# Altium PCB MOTHERBOARD_Hristo_JLC2313.PcbDoc (part 1 of 4) (continued)
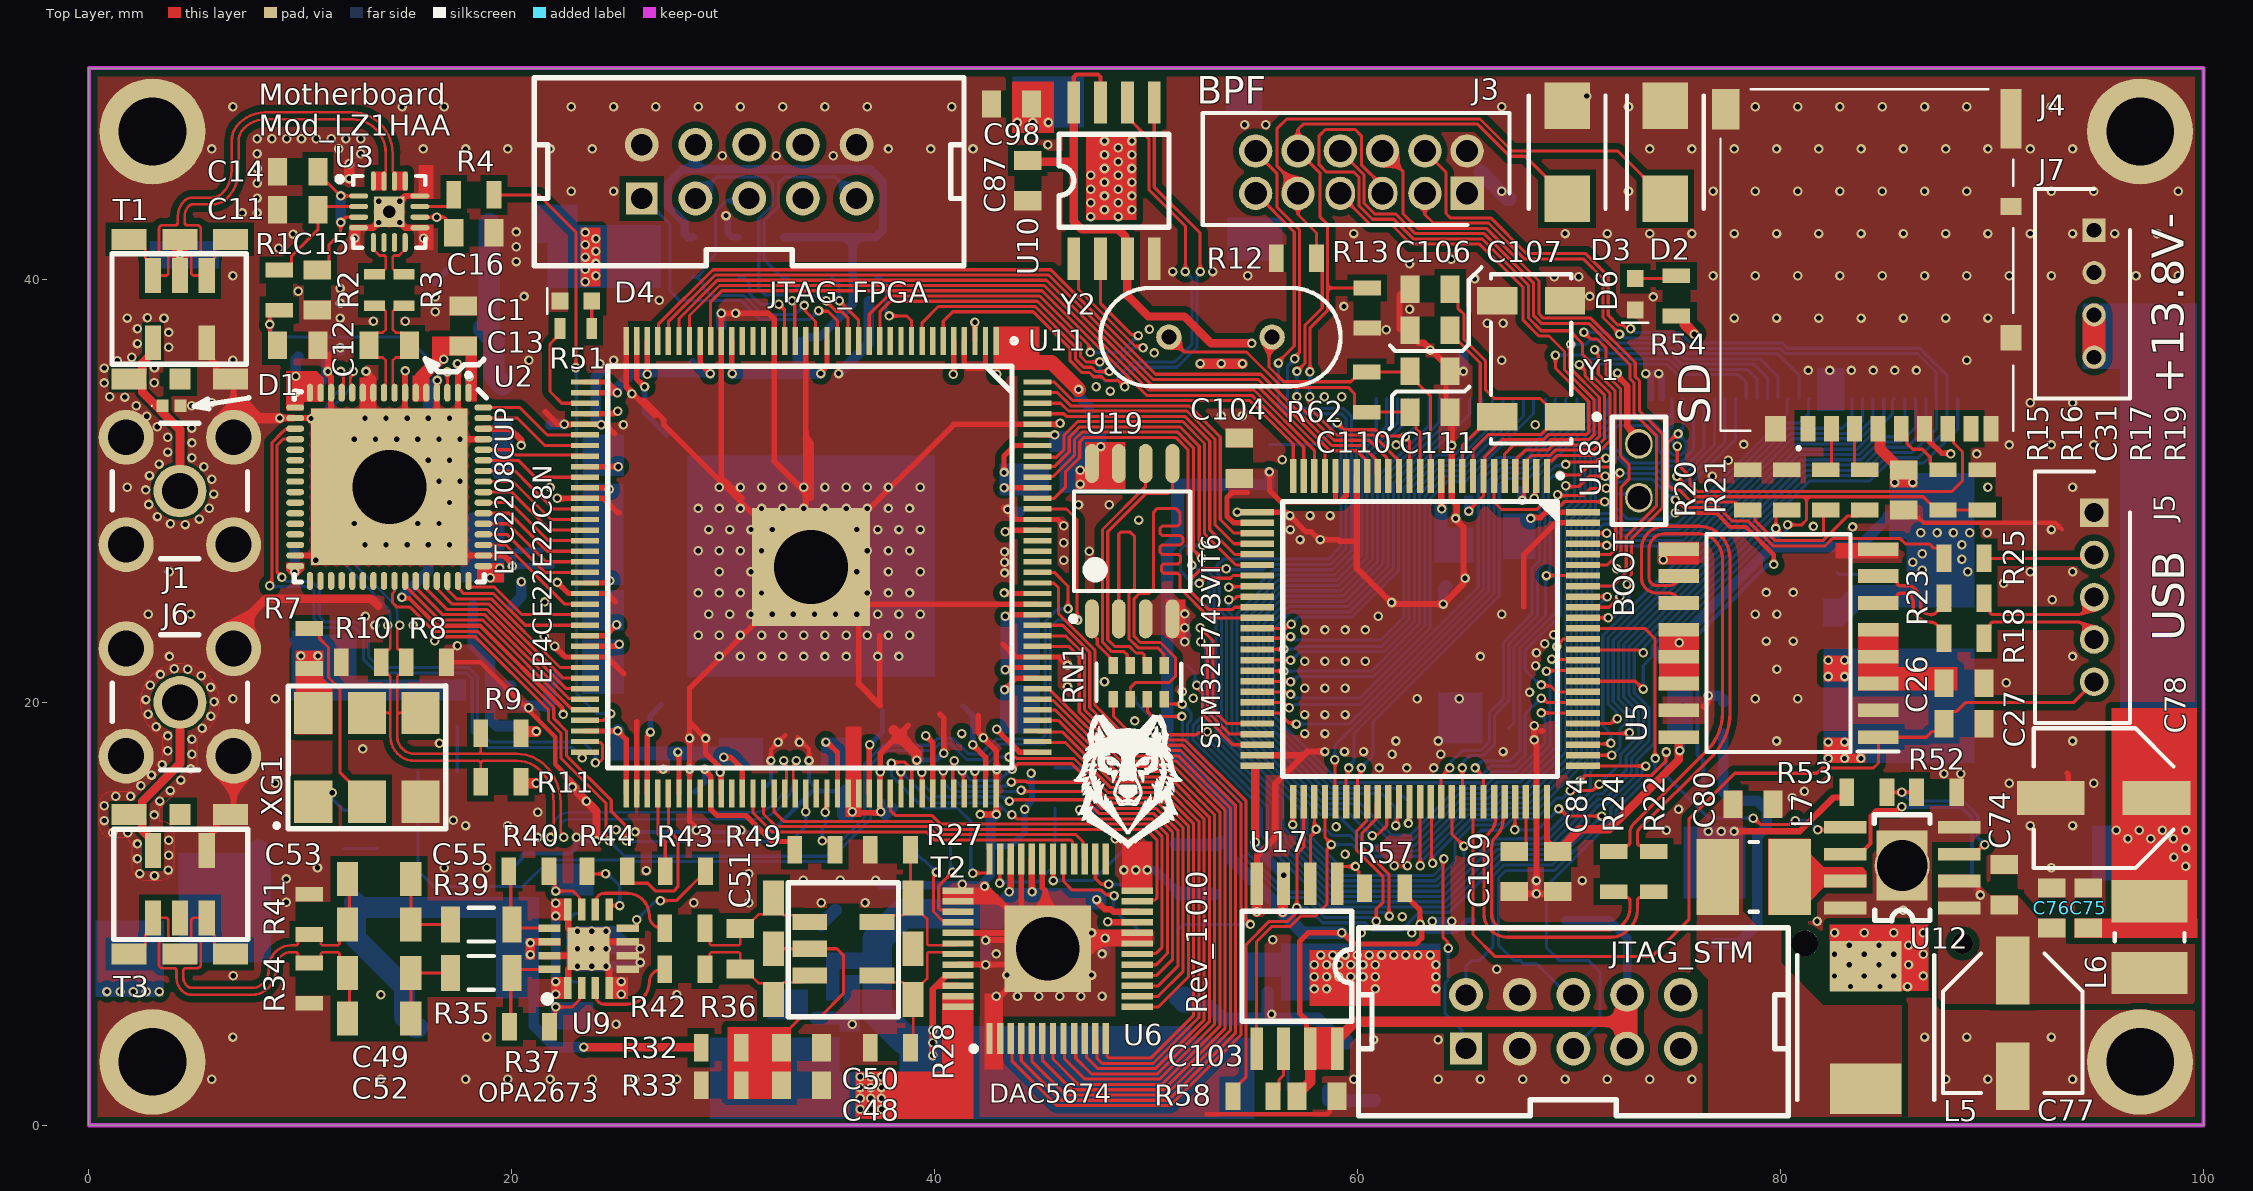
[diagram p0: Top Layer view]
## Components (designator, comment, footprint, x,y, rotation, side; value= is the part's Value field where it differs from the comment) (continued)
BOOT "" 51022-0200 72.665,30.955 r90 top locked
BT1 "S8411-45R" FP-S8411-45R-MFG 85.1,8.6 r90 bottom locked
C1 "100n" CAP_0805 17.7,37.8 r90 top
C2 "100n" CAP_0805 9.9,37.1 r90 bottom
C3 "100n" CAP_0805 9.6,28 r90 bottom
C4 "100n" CAP_0805 17.475,26.6 r180 bottom
C5 "100n" CAP_0805 21.7,40.475 r180 bottom
C6 "100n" CAP_0805 17.625,40.475 r0 bottom
C7 "22uF 10V" CAPAE_4.3X4.3H5.4 25.95,38.7 r90 bottom
C8 "22uF 10V" CAPAE_4.3X4.3H5.4 20.55,37.675 r180 bottom
C9 "470p" CAP_0805 6.65,41.175 r180 bottom
C10 "1uF" CAP_0805 2.35,41.175 r180 bottom
C11 "1uF" CAP_0805 9.875,43.3 r180 top
C12 "1uF" CAP_0805 9.875,36.9 r0 top
C13 "10p" CAP_0805 14.2,36.9 r180 top
C14 "100n" CAP_0805 9.875,45.1 r0 top
C15 "100n" CAP_0805 10.8,39.5 r90 top
C16 "100n" CAP_0805 18.2,42.2 r0 top
C17 "100n" CAP_0805 14.6,16.7 r0 bottom
C18 "100n" CAP_0805 10.9,14.9 r0 bottom
C19 "8.2n" CAP_0805 10.9,13.1 r0 bottom
C20 "470p" CAP_0805 13.7,19.6 r90 bottom
C21 "1uF" CAP_0805 19.3,22.8 r180 bottom
C22 "100n" CAP_0805 15.5,19.6 r90 bottom
C23 "10uF 10V" CAPAE_4.3X4.3H5.4 10.7,19 r270 bottom
C24 "100n" CAP_0805 18.55,16.7 r180 bottom
C25 "10n" CAP_0805 9.6,23.9 r270 bottom
C26 "100n" CAP_0805 88.675,20.913 r180 top
C27 "100n" CAP_0805 88.675,19 r180 top
C28 "100n" CAP_0805 76.35,20 r180 bottom
C29 "100n" CAP_0805 76.35,21.6 r180 bottom
C30 "22uF 10V" CAPAE_4.3X4.3H5.4 83.975,28.825 r180 bottom value="10uF 10V"
C31 "100n" CAP_0805 85.833,30.05 r270 top
C32 "100n" CAP_0805 41.9,13.125 r180 bottom
C33 "NONE" CAP_0805 46.7,13.125 r180 bottom
C34 "2.7n" CAP_0805 47.7,15.95 r90 bottom
C35 "10n" CAP_0805 49.6,14.25 r270 bottom
C36 "100n" CAP_0805 59.475,4.825 r90 bottom
C37 "10uF 10V" CAPAE_4.3X4.3H5.4 62.275,5.35 r270 bottom
C38 "10uF 10V" CAPAE_4.3X4.3H5.4 48.8,4.55 r90 bottom
C39 "100n" CAP_0805 52.175,5.225 r270 bottom
C40 "100n" CAP_0805 57.85,1.675 r180 bottom
C41 "10uF 10V" CAPAE_4.3X4.3H5.4 41.65,4.55 r90 bottom
C42 "100n" CAP_0805 38.8,5.225 r270 bottom
C43 "10uF 10V" CAPAE_4.3X4.3H5.4 30.475,4.55 r90 bottom
C44 "100n" CAP_0805 33.05,5.225 r270 bottom
C45 "470p" CAP_0805 19.9,11.3 r270 bottom
C46 "100n" CAP_0805 18.8,8.4 r0 bottom
C47 "1uF" CAP_0805 19.9,5.5 r90 bottom
C48 "100n" CAP_0805 33.7,1.9 r180 top
C49 "1uF" CAP_1206 13.719,7.207 r0 top
C50 "470p" CAP_0805 33.7,3.675 r180 top
C51 "7.5p" CAP_0805 30.8,8.35 r270 top
C52 "680p" CAP_1206 13.719,5.048 r0 top
C53 "680p" CAP_1206 13.719,11.652 r0 top
C54 "100n" CAP_0805 23.2,10.975 r270 bottom
C55 "1uF" CAP_1206 13.719,9.493 r0 top
C56 "100n" CAP_0805 32.775,37.025 r180 bottom
C57 "100n" CAP_0805 23.25,28.025 r180 bottom
C58 "100n" CAP_0805 23.225,21.15 r180 bottom
C59 "100n" CAP_0805 27.9,15.775 r180 bottom
C60 "100n" CAP_0805 35.725,16.95 r270 bottom
C61 "100n" CAP_0805 48.225,32.175 r0 bottom
C62 "100n" CAP_0805 45.25,22.775 r0 bottom
C63 "100n" CAP_0805 28.55,36.9 r90 bottom
C64 "100n" CAP_0805 48.225,33.8 r0 bottom
C65 "100n" CAP_0805 44.75,29.625 r270 bottom
C66 "100n" CAP_0805 45.25,19.35 r0 bottom
C67 "100n" CAP_0805 31.125,16.95 r270 bottom
C68 "100n" CAP_0805 23.225,24.6 r180 bottom
C69 "100n" CAP_0805 23.25,31.45 r180 bottom
C70 "100n" CAP_0805 25.075,16.825 r270 bottom
C71 "100n" CAP_0805 27.85,20.8 r45 bottom
C72 "100n" CAP_0805 40.475,32.15 r225 bottom
C73 "100n" CAP_0805 27.85,32.125 r315 bottom
C74 "100n" CAP_0805 90.575,11.375 r270 top
C75 "100n" CAP_0805 94.55,10.275 r270 top
C76 "100n" CAP_0805 92.825,10.275 r270 top
C77 "EEE1EA220SP" EEE1AA101SP 90.975,4.825 r270 top locked
C78 "EEE1EA220SP" EEE1AA101SP 95.275,15.475 r180 top locked
C79 "22uF 10V" CAPAE_4.3X4.3H5.4 73.8,11.825 r180 bottom
C80 "100n" CAP_0805 78.7,15.175 r180 top
C81 "10uF 10V" CAPAE_4.3X4.3H5.4 89.275,18.225 r0 bottom
C82 "100n" CAP_0805 53.175,12.3 r90 bottom
C83 "100n" CAP_0805 53.65,31.25 r270 bottom
C84 "100n" CAP_0805 69.45,12 r90 top
C85 "100nF" C-0603 67.375,26.15 r270 bottom
C86 "100nF" C-0603 64.225,26.325 r270 bottom
C87 "100n" CAP_0805 44.4,44.675 r90 top
C88 "10uF" CAP_0805 51.4,14.25 r270 bottom value=1uF
C89 "10uF 10V" CAPAE_4.3X4.3H5.4 89.275,28.825 r0 bottom
C90 "100n" CAP_0805 81.525,21.6 r0 bottom
C91 "100n" CAP_0805 81.525,24.25 r0 bottom
C92 "100n" CAP_0805 81.525,26.125 r0 bottom
C93 "10uF" CAP_0805 46.4,47.175 r90 bottom
C94 "10uF" CAP_0805 40.325,21.075 r315 bottom
C95 "10uF 20V" CAPAE_4.3X4.3H5.4 5.375,12.675 r90 bottom
C96 "100n" CAP_0805 56.025,48.65 r0 bottom
C97 "10uF 20V" CAPAE_4.3X4.3H5.4 15.525,3.525 r270 bottom
C98 "100n" CAP_0805 43.625,48.3 r180 top
C99 "100n" CAP_0805 37.525,20.55 r90 bottom
C100 "10uF" CAP_0805 55.8,40.4 r90 bottom
C101 "100n" CAP_0805 8.025,14.175 r270 bottom
C102 "100n" CAP_0805 15.75,9.275 r90 bottom
C103 "100n" CAP_0805 58.075,1.375 r0 top
C104 "10uF" CAP_0805 54.4,31.55 r90 top
C105 "100n" CAP_0805 51.475,31.25 r90 bottom
C106 "6pF" CAP_0805 63.425,39.55 r180 top
C107 "6pF" CAP_0805 63.425,37.608 r180 top
C108 "10uF" CAP_0805 50.975,21.75 r0 bottom
C109 "10uF" CAP_0805 67.4,12 r90 top
C110 "22p" CAP_0805 63.425,35.667 r180 top
C111 "22p" CAP_0805 63.425,33.725 r180 top
C112 "1nF" C-0805 48.225,30.55 r0 bottom
C113 "100n" CAP_0805 58.025,31.25 r90 bottom
D1 "RCLAMP0521PATCT" RCLAMP0521PATCT 3.9,34.025 r180 top
D2 "SMAJ5.0A-TR" SMBJ36CATR 74.55,46.025 r90 top
D3 "SMAJ5.0A-TR" SMBJ36CATR 69.9,46.025 r90 top
D4 "L-C192KFCT" "LED 0603" 23.025,38.975 r0 top
D5 "SS34-E3/57T" FP-95402-MFG 96.325,15.625 r90 bottom locked
D6 "L-C192KFCT" "LED 0603" 73.125,39.3 r90 top
D7 "BAT54C" BAT54C 76.125,17.4 r270 bottom
J1 "ADC" 31-5431 4.3,30 r0 top locked
J2 "AFC07-S60FCA-00" AFC07-S60FCA-00 75.625,35.463 r0 bottom locked
J3 "DF11-12DP-2DSA_24_" SHDR12W60P200_2X6_1400X500X690P 65.175,44.075 r0 top
J4 "DM3AT-SF-PEJM5" DM3ATSFPEJM5 84.075,40.362 r180 top locked
J5 "B5B-PH-K-S_LF__SN_" SHDR5W50P0X200_1X5_1190X450X600P 94.825,28.975 r90 top locked
J6 "DAC_OUT" 31-5431 4.3,20 r0 top locked
J7 "B4B-PH-K-S_LF__SN_" SHDR4W50P0X200_1X4_990X450X600P 94.825,42.325 r90 top locked
JTAG_FPGA "" IDC10 31.22,45.1 r180 top locked
JTAG_STM "" IDC10 70.2,4.9 r180 top locked
L1 "BLM21AH102SN1D" INDC2013X105X50NL20T20 19.55,34 r270 bottom
L2 "CBC3225T220MR" FP-CB3225-IPC_B 19.575,29.575 r270 bottom
L3 "BLM21AH102SN1D" INDC2013X105X50NL20T20 19.3,24.6 r180 bottom
L4 "10uH" WE-LQ-L 3.525,7.875 r0 bottom
L5 "IHLP2525CZER100M01" INDPM6965X300N 84.025,4.625 r90 top locked
L6 "10uH" WE-LQ-L 97.45,8.9 r270 top
L7 "744045003" WE-LQ-L 78.725,11.75 r180 top
R1 "56" RES_0805 9,39.5 r270 top
R2 "10" RES_0603 13.5,39.5 r270 top
R3 "10" RES_0603 14.9,39.5 r270 top
R4 "1.5k" RES_0805 18.2,44 r0 top
R5 "47k" RES_0805 14.6,14.9 r180 bottom
R6 "5.6k" RES_0805 14.6,13.1 r180 bottom
R7 "0/NONE" RES_0805 10.425,22.55 r90 top value=NONE/0
R8 "82" RES_0805 15.95,21.9 r0 top
R9 "130" RES_0805 19.475,18.55 r180 top
R10 "82" RES_0805 12.875,21.9 r180 top
R11 "130" RES_0805 19.475,16.25 r180 top
R12 "1k" RES_0805 57.1,41 r180 top
R13 "1k" RES_0805 60.45,38.65 r270 top
R14 "1k" RES_0805 54.75,27.2 r90 bottom
R15 "0" RES_0805 82.142,30.05 r270 top
R16 "0" RES_0805 83.987,30.05 r270 top
R17 "0" RES_0805 87.679,30.05 r270 top
R18 "24" RES_0805 88.675,23.025 r180 top
R19 "3.3k" RES_0805 89.525,30.05 r270 top
R20 "3.3k" RES_0805 78.45,30.05 r270 top
R21 "3.3k" RES_0805 80.296,30.05 r270 top
R22 "24" RES_0805 74,12 r270 top
R23 "24" RES_0805 88.675,24.925 r180 top
R24 "24" RES_0805 72.1,12 r270 top
R25 "24" RES_0805 88.675,26.812 r180 top
R26 "1.5k" RES_0805 38.2,13.125 r0 bottom
R27 "100" RES_0805 37.9,13.025 r0 top
R28 "100" RES_0805 37.9,3.675 r0 top
R29 "56" RES_0805 45.675,15.95 r270 bottom
R30 "22" RES_0805 50.525,9.1 r180 bottom
R31 "10k" RES_0805 50.525,10.925 r180 bottom
R32 "1k" RES_0805 29.9,3.675 r180 top
R33 "1k" RES_0805 29.9,1.9 r180 top
R34 "10k" RES_0805 10.425,6.725 r90 top
R35 "5.6" RES_1206 18.545,7.207 r0 top
R36 "22" RES_0805 28.175,7.375 r180 top
R37 "*" RES_0805 20.831,4.667 r0 top
R38 "330" RES_0805 23.2,5.825 r90 bottom
R39 "5.6" RES_1206 18.545,9.493 r0 top
R40 "*" RES_0805 20.803,12.006 r0 top
R41 "10k" RES_0805 10.425,9.975 r90 top
R42 "22" RES_0805 28.175,9.325 r0 top
R43 "1k" RES_0805 28.203,12.006 r0 top
R44 "1k" RES_0805 24.503,12.006 r180 top
R45 "10k" RES_0805 28.55,41.05 r90 bottom
R46 "10k" RES_0805 32.875,41.05 r90 bottom
R47 "10k" RES_0805 37.2,41.05 r90 bottom
R48 "10k" RES_0805 35.037,41.05 r90 bottom
R49 "10k" RES_0805 34.325,13.025 r0 top
R50 "10k" RES_0805 30.712,41.05 r90 bottom
R51 "1k" R-0603#1 23.025,37.675 r180 top
R52 "7.5k" RES_0805 87.375,15.75 r180 top
R53 "39k" RES_0805 84.075,15.75 r180 top
R54 "1k" R-0805 75.075,39.225 r270 top
R55 "4.7k" R-0603#2 64.975,28.775 r270 bottom
R56 "4.7k" R-0603#2 67.4,29.225 r270 bottom
R57 "10k" RES_0805 61.275,11.2 r180 top
R58 "22" RES_0805 55.05,1.375 r180 top
R59 "10k" RES_0805 67.675,8.75 r270 bottom
R60 "10k" RES_0805 65.475,8.75 r270 bottom
R61 "10k" RES_0805 69.825,8.75 r270 bottom
R62 "1m" RES_0805 60.425,34.675 r270 top value=1M
R63 "10k" RES_0805 66.2,18.8 r0 bottom
R64 "10k" R-0603#1 50.25,20.25 r180 bottom
R65 "10k" RES_0805 55.837,31.25 r270 bottom
RN1 "EXB-38V100JV" FP-EXB38V-MFG 49.65,20.95 r180 top
T1 "1:4 ADT4-6T" TRANSF_ACORE2#1 4.3,38.6 r270 top locked
T2 "1:1+1" TRANSF_ACORE2#2 35.675,8.35 r0 top locked
T3 "1:1" TRANSF_ACORE 4.3,11.4 r90 top locked
U1 "TPS79633DCQR" DCQ0006A_L 20.2,45.575 r90 bottom
U2 "LTC2208CUP" LTC2208CUP 14.2,30.197 r270 top
U3 "LTC6400IUD" LT-UD-16_N 14.2,43.2 r0 top locked
U4 "TPS79333DBVR" DBV0005A_L 18.691,19.835 r180 bottom
U5 "ADUM4160" SOIC127P1032X265-16N 79.9,22.8 r180 top
U6 "DAC5674" QFP50P900X900X100-49N 45.338,8.35 r90 top locked
U7 "TPS79333DBVR" DBV0005A_L 55.75,5.025 r270 bottom
U8 "TPS79318DBVR" DBV0005A_L 36.125,5.025 r270 bottom
U9 "OPA2673" QFN65P400X400X100-17N-D 23.625,8.35 r90 top locked
U10 "25P80" 25P80 48.475,44.675 r90 top
U11 "EP4CE22E22C8N" QFP144-20-2222A 34.15,26.4 r270 top
U12 "ST1S10" ST1S10 85.75,12.185 r180 top
U13 "TPS79633DCQR" DCQ0006A_L 87.766,23.517 r0 bottom
U14 "CJ7812" TO-252-2L 10.281,7.231 r0 bottom
U15 "LM1117DT-2.5" TO228P991X238-3N 41.9,43.6 r270 bottom
U16 "LM1117DT-1.2" TO228P991X238-3N 50.95,43.6 r90 bottom
U17 "W25Q16" W25Q16 57.125,7.525 r270 top locked
U18 "STM32H743VIT6-rev.V" STM32H743VIT6 62.95,23 r270 top locked
U19 "MT25QL128ABA1ESE-0SIT" MICT-SE-8_M 49.335,27.625 r90 top
XG1 "VG-4513CA-122.8800M-GGCT3" NV7050SA 13.145,17.402 r90 top value=122.88Mhz
XG2 "12.288Mhz TCXO" 581L200X2ITT 13.8,23.7 r0 bottom locked
Y1 "ABS25-32.768KHZ-6-T" ABRA-ABS25-4_V 68.2,36.25 r90 top
Y2 "8mhz" FOX-FOXSLF-2_V 53.512,37.275 r180 top

## Footprints (in the part's own frame and the unit in brackets; to place one, negate y for a bottom-side part, rotate by r counter-clockwise, add the part's x,y. Pads: shape width x height; smd on the part's side, far side on the other; paste and mask are expansions set on the pad)
25P80 [mm]
  rect 2x0.6 smd: 1(-3.7,1.905) 2(-3.7,0.635) 3(-3.7,-0.635) 4(-3.7,-1.905) 5(3.7,-1.905) 6(3.7,-0.635) 7(3.7,0.635) 8(3.7,1.905)
  silkscreen extent -2.2,-2.6 2.2,2.6, body extent -4.05,-2.64 4.05,2.64, height 1.7
31-5431 [mm]
  round 2.6 hole 1.7: 1(-2.54,-2.54) 2(2.54,-2.54) 3(2.54,2.54) 4(-2.54,2.54)
  round 2.5 hole 1.7: 5(0,0)
  silkscreen extent -3.2,-3.2 3.2,3.2, body extent -3.04,-3.04 3.04,3.04, height 9
581L200X2ITT [mm]
  rect 1.5x1.2 smd: 1(-1.9,-1.1) 2(1.9,-1.1) 3(1.9,1.1) 4(-1.9,1.1)
  silkscreen extent -3.2,-1.6 2.5,1.6, body extent -2.53,-1.6 2.53,1.6, height 1.75
51022-0200 [mm]
  oval 1.4x1.3 hole 1.1: 1(-1.27,-0.635) 2(1.27,-0.635)
  silkscreen extent -2.54,-1.91 2.54,0.64, body extent -2.54,-1.91 2.54,0.64, height 9.5
ABRA-ABS25-4_V [mm] "SMD, 4-Leads, Body 8x3.8mm, Pitch 5.5mm, Height 2.5mm"
  rect 1.3x1.9 smd: 1(-2.75,-1.6) 2(2.75,-1.6) 3(2.75,1.6) 4(-2.75,1.6)
  silkscreen extent -4,-3.22 4,1.9, body extent -4,-2 4,2, height 2.66
AFC07-S60FCA-00 [mm]
  rect 0.3x1.2 smd: 1(-14.75,1.088) 2(-14.25,1.088) 3(-13.75,1.088) 4(-13.25,1.088) 5(-12.75,1.088) 6(-12.25,1.088) 7(-11.75,1.088) 8(-11.25,1.088) 9(-10.75,1.088) 10(-10.25,1.088) 11(-9.75,1.088) 12(-9.25,1.088) 13(-8.75,1.088) 14(-8.25,1.088) 15(-7.75,1.088) 16(-7.25,1.088) 17(-6.75,1.088) 18(-6.25,1.088) 19(-5.75,1.088) 20(-5.25,1.088) 21(-4.75,1.088) 22(-4.25,1.088) 23(-3.75,1.088) 24(-3.25,1.088) 25(-2.75,1.088) 26(-2.25,1.088) 27(-1.75,1.088) 28(-1.25,1.088) 29(-0.75,1.088) 30(-0.25,1.088) 31(0.25,1.088) 32(0.75,1.088) 33(1.25,1.088) 34(1.75,1.088) 35(2.25,1.088) 36(2.75,1.088) 37(3.25,1.088) 38(3.75,1.088) 39(4.25,1.088) 40(4.75,1.088) 41(5.25,1.088) 42(5.75,1.088) 43(6.25,1.088) 44(6.75,1.088) 45(7.25,1.088) 46(7.75,1.088) 47(8.25,1.088) 48(8.75,1.088) 49(9.25,1.088) 50(9.75,1.088) 51(10.25,1.088) 52(10.75,1.088) 53(11.25,1.088) 54(11.75,1.088) 55(12.25,1.088) 56(12.75,1.088) 57(13.25,1.088) 58(13.75,1.088) 59(14.25,1.088) 60(14.75,1.088)
  rect 2.2x3.3 smd: 61(-16.35,-1.087) 62(16.35,-1.087)
  silkscreen extent -17.8,-5.05 17.8,1.95, body extent -17.14,-4.83 17.14,0.89, height 3
BAT54C [mm]
  rect 1.05x0.65 smd: 1(-1.128,0.735) 2(-1.128,-1.165) 3(1.172,-0.215)
  silkscreen extent -1.7,-1.71 0.27,1.71
C-0603 [mm] "Surface-Mount Multilayer Chip Capacitor, Body 1.6 x 0.8 mm (L x W)"
  rect 1x1 smd: 1(-0.8,0) 2(0.8,0)
  body extent -0.8,-0.4 0.8,0.4, height 0.8
C-0805 [mm] "Surface-Mount Multilayer Chip Capacitor, Body 2 x 1.25 mm (L x W)"
  rect 0.9x1.3 smd: 1(-0.95,0) 2(0.95,0)
  Top Layer pour cut-out: -0.5,0.65 0.5,0.65 0.5,-0.65 -0.5,-0.65
  body extent -1,-0.62 1,0.63, height 0.78
CAP_0805 [mm] "Surface-Mount Multilayer Chip Capacitor, Body 2 x 1.25 mm (L x W)"
  rect 0.9x1.3 smd: 1(-0.95,0) 2(0.95,0)
  Top Layer pour cut-out: -0.5,0.65 0.5,0.65 0.5,-0.65 -0.5,-0.65
  body extent -1,-0.62 1,0.63, height 0.78
CAP_1206 [mm] "Surface-Mount Multilayer Chip Capacitor, Body 3.2 x 1.6 mm (L x W)"
  rect 1x1.6 smd: 1(-1.5,0) 2(1.5,0)
  Top Layer pour cut-out: -1,0.8 1,0.8 1,-0.8 -1,-0.8
  body extent -1.6,-0.8 1.6,0.8, height 1
CAPAE_4.3X4.3H5.4 [mm]
  rect 2x2.2 smd: 1(-1.1,0) 2(1.9,0)
  silkscreen extent -2.9,-1.5 2.2,1.5, body extent -1.45,-1.5 2.25,1.5, height 2.16
DBV0005A_L [mm] "SOT23, 5-Leads, Body 3.05x1.75mm, Pitch 0.95mm, IPC High Density"
  rrect18% 0.8x0.55 smd: 1(-1.275,0.95) 2(-1.275,0) 3(-1.275,-0.95) 4(1.275,-0.95) 5(1.275,0.95)
  silkscreen extent -1.4,-1.55 0.5,1.9, body extent -1.42,-1.46 1.42,1.46, height 1.08
DCQ0006A_L [mm] "SOT223, 6-Leads, Body 6.55x3.55mm, Pitch 1.27mm, IPC High Density"
  rrect17% 1.8x0.6 smd: 1(-2.925,2.54) 2(-2.925,1.27) 3(-2.925,0) 4(-2.925,-1.27) 5(-2.925,-2.54)
  rrect6% 1.8x3.15 smd: 6(2.925,0)
  silkscreen extent -3.05,-3.3 1.75,3.52, body extent -3.48,-3.25 3.48,3.25, height 1.64
DM3ATSFPEJM5 [mm]
  rect 0.7x1.2 smd: 1(2.775,7.412) 2(1.675,7.412) 3(0.575,7.412) 4(-0.525,7.412) 5(-1.625,7.412) 6(-2.725,7.412) 7(-3.825,7.412) 8(-4.925,7.412) MP2(-5.875,7.412)
  rect 1x1.2 smd: MP1(4.325,7.412) MP3(-6.825,3.112)
  rect 1x0.8 smd: MP4(-6.825,-3.087)
  rect 1x2.8 smd: MP5(-6.825,-7.237)
  rect 1.3x1.9 smd: MP6(6.675,-7.688)
  silkscreen extent -6.93,-8.64 6.93,8.39, body extent -7.24,-8.64 7.19,7.94, height 1.93
EEE1AA101SP [mm]
  rect 3.2x1.6 smd: 1(-2.5,0) 2(2.5,0)
  silkscreen extent -3.3,-3.3 3.3,3.3, body extent -3.9,-3.4 3.9,3.4, height 5.57
FOX-FOXSLF-2_V [mm] "THD, 2-Leads, Body 11.35x4.65mm, Pitch 4.88mm"
  round 1.2 hole 0.7: 1(-2.44,0) 2(2.44,0)
  silkscreen extent -5.68,-2.32 5.68,2.32, body extent -5.67,-2.32 5.68,2.32, height 3.6
FP-95402-MFG [mm]
  rect 1.72x3.2 smd paste+0 mask+0: 1(-3.205,0) 2(3.205,0)
  silkscreen extent -4.82,-3.11 3.55,3.11, body extent -3.97,-2.95 3.97,2.95, height 2.62
FP-CB3225-IPC_B [mm]
  rect 1.454x2.706 smd paste+0 mask+0: 1(-1.326,0) 2(1.326,0)
  silkscreen extent -0.3,-1.35 0.3,1.35, body extent -1.6,-1.25 1.6,1.25, height 2.7
FP-EXB38V-MFG [mm]
  rect 0.45x0.8 smd paste+0 mask+0: 1(-1.2,-0.8) 2(-0.4,-0.8) 3(0.4,-0.8) 4(1.2,-0.8) 5(1.2,0.8) 6(0.4,0.8) 7(-0.4,0.8) 8(-1.2,0.8)
  silkscreen extent -2,-0.87 2,0.87, body extent -1.8,-1.3 1.8,1.3, height 0.25
FP-S8411-45R-MFG [mm]
  rect 2.3x4.5 smd paste+0 mask+0: 1(0,8.2) 2(0,-8.2)
  round 1.25 hole 1.25 unplated paste-1000 mask+0: ""(0,-3.95)
  round 1 hole 1 unplated paste-1000 mask+0: ""(0,3.5)
  silkscreen extent 1.53,-8.23 7.52,-8.23, body extent -7.37,-9.6 7.37,9.6, height 4.45
IDC10 [mm]
  rect 1.5x1.5 hole 1: 1(5.08,1.27)
  round 1.6 hole 1: 2(5.08,-1.27) 3(2.54,1.27) 4(2.54,-1.27) 5(0,1.27) 6(0,-1.27) 7(-2.54,1.27) 8(-2.54,-1.27) 9(-5.08,1.27) 10(-5.08,-1.27)
  silkscreen extent -10.16,-4.45 10.16,4.45, body extent -10.16,-4.6 10.16,4.6, height 8.9
INDC2013X105X50NL20T20 [mm] "Chip Inductor, 2-Leads, Body 2.2x1.45mm, IPC Medium Density"
  rect 1.13x1.47 smd: 1(-0.885,0) 2(0.885,0)
  body extent -1.1,-0.72 1.1,0.72, height 1.05
INDPM6965X300N [mm]
  rect 2.4x3.4 smd: 1(-2.9,0) 2(2.9,0)
  silkscreen extent -3.43,-3.23 3.43,3.23, body extent -3.54,-3.33 3.53,3.34, height 2.89
"LED 0603" [mm] "SMD CHIP LED (0603), Body 1.60 X 0.80 X 0.40 mm (L x W x H)"
  rect 0.8x0.8 smd: 1(0.75,0.001) 2(-0.75,0.001)
  silkscreen extent -1.35,-0.6 -1.35,0.6, body extent -0.83,-0.4 0.83,0.4, height 0.8
LT-UD-16_N [mm] "QFN, 16-Leads, Body 3x3mm, Pitch 0.5mm, Thermal Pad 1.45x1.45mm, IPC Medium Density"
  oval 0.9x0.25 smd: 1(-1.45,0.75) 2(-1.45,0.25) 3(-1.45,-0.25) 4(-1.45,-0.75) 9(1.45,-0.75) 10(1.45,-0.25) 11(1.45,0.25) 12(1.45,0.75)
  oval 0.25x0.9 smd: 5(-0.75,-1.45) 6(-0.25,-1.45) 7(0.25,-1.45) 8(0.75,-1.45) 13(0.75,1.45) 14(0.25,1.45) 15(-0.25,1.45) 16(-0.75,1.45)
  round 1 hole 0.6: 17(0,0)
  rect 1.45x1.45 smd: 17(0,0)
  silkscreen extent -2.47,-1.7 1.7,1.7, body extent -1.55,-1.55 1.55,1.55, height 0.8
LTC2208CUP [mm]
  oval 0.85x0.3 smd: 1(-4.45,3.75) 2(-4.45,3.25) 3(-4.45,2.75) 4(-4.45,2.25) 5(-4.45,1.75) 6(-4.45,1.25) 7(-4.45,0.75) 8(-4.45,0.25) 9(-4.45,-0.25) 10(-4.45,-0.75) 11(-4.45,-1.25) 12(-4.45,-1.75) 13(-4.45,-2.25) 14(-4.45,-2.75) 15(-4.45,-3.25) 16(-4.45,-3.75) 33(4.45,-3.75) 34(4.45,-3.25) 35(4.45,-2.75) 36(4.45,-2.25) 37(4.45,-1.75) 38(4.45,-1.25) 39(4.45,-0.75) 40(4.45,-0.25) 41(4.45,0.25) 42(4.45,0.75) 43(4.45,1.25) 44(4.45,1.75) 45(4.45,2.25) 46(4.45,2.75) 47(4.45,3.25) 48(4.45,3.75)
  oval 0.3x0.85 smd: 17(-3.75,-4.45) 18(-3.25,-4.45) 19(-2.75,-4.45) 20(-2.25,-4.45) 21(-1.75,-4.45) 22(-1.25,-4.45) 23(-0.75,-4.45) 24(-0.25,-4.45) 25(0.25,-4.45) 26(0.75,-4.45) 27(1.25,-4.45) 28(1.75,-4.45) 29(2.25,-4.45) 30(2.75,-4.45) 31(3.25,-4.45) 32(3.75,-4.45) 49(3.75,4.45) 50(3.25,4.45) 51(2.75,4.45) 52(2.25,4.45) 53(1.75,4.45) 54(1.25,4.45) 55(0.75,4.45) 56(0.25,4.45) 57(-0.25,4.45) 58(-0.75,4.45) 59(-1.25,4.45) 60(-1.75,4.45) 61(-2.25,4.45) 62(-2.75,4.45) 63(-3.25,4.45) 64(-3.75,4.45)
  round 4 hole 3.5: 65(0,0)
  rect 7.4x7.4 smd: 65(0,0)
  silkscreen extent -5.48,-4.5 4.5,4.6, body extent -4.55,-4.55 4.55,4.55, height 0.8
MICT-SE-8_M [mm] "SOP, 8-Leads, Body 5.5x5.5mm, Pitch 1.27mm, IPC Low Density"
  oval 1.85x0.65 smd: 1(-3.675,1.905) 2(-3.675,0.635) 3(-3.675,-0.635) 4(-3.675,-1.905) 5(3.675,-1.905) 6(3.675,-0.635) 7(3.675,0.635) 8(3.675,1.905)
  silkscreen extent -3.8,-2.75 2.35,2.9, body extent -3.95,-2.75 3.95,2.75, height 2.16
NV7050SA [mm]
  rect 2x1.8 smd: 1(-2.1,2.54) 2(-2.1,0) 3(-2.1,-2.54) 4(2.1,-2.54) 5(2.1,0) 6(2.1,2.54)
  silkscreen extent -3.43,-3.73 3.39,4.47, body extent -2.6,-3.59 2.6,3.59, height 1.81
QFN65P400X400X100-17N-D [mm]
  rect 1.05x0.35 smd: 1(-1.85,0.975) 2(-1.85,0.325) 3(-1.85,-0.325) 4(-1.85,-0.975) 9(1.85,-0.975) 10(1.85,-0.325) 11(1.85,0.325) 12(1.85,0.975)
  rect 0.35x1.05 smd: 5(-0.975,-1.85) 6(-0.325,-1.85) 7(0.325,-1.85) 8(0.975,-1.85) 13(0.975,1.85) 14(0.325,1.85) 15(-0.325,1.85) 16(-0.975,1.85)
  rect 2x2 smd: 17(0,0)
  silkscreen extent -2.54,1.79 -2.21,2.11, body extent -2.05,-2.05 2.05,2.05, height 1
QFP50P900X900X100-49N [mm]
  rect 1.475x0.3 smd: 1(-4.238,2.75) 2(-4.238,2.25) 3(-4.238,1.75) 4(-4.238,1.25) 5(-4.238,0.75) 6(-4.238,0.25) 7(-4.238,-0.25) 8(-4.238,-0.75) 9(-4.238,-1.25) 10(-4.238,-1.75) 11(-4.238,-2.25) 12(-4.238,-2.75) 25(4.238,-2.75) 26(4.238,-2.25) 27(4.238,-1.75) 28(4.238,-1.25) 29(4.238,-0.75) 30(4.238,-0.25) 31(4.238,0.25) 32(4.238,0.75) 33(4.238,1.25) 34(4.238,1.75) 35(4.238,2.25) 36(4.238,2.75)
  rect 0.3x1.475 smd: 13(-2.75,-4.238) 14(-2.25,-4.238) 15(-1.75,-4.238) 16(-1.25,-4.238) 17(-0.75,-4.238) 18(-0.25,-4.238) 19(0.25,-4.238) 20(0.75,-4.238) 21(1.25,-4.238) 22(1.75,-4.238) 23(2.25,-4.238) 24(2.75,-4.238) 37(2.75,4.238) 38(2.25,4.238) 39(1.75,4.238) 40(1.25,4.238) 41(0.75,4.238) 42(0.25,4.238) 43(-0.25,4.238) 44(-0.75,4.238) 45(-1.25,4.238) 46(-1.75,4.238) 47(-2.25,4.238) 48(-2.75,4.238)
  round 3.5 hole 3: 49(0,0)
  rect 4.1x4.1 smd: 49(0,0)
  silkscreen extent -4.85,3.37 -4.6,3.62, body extent -4.5,-4.5 4.5,4.5, height 1
QFP144-20-2222A [mil]
  rect 52x10 smd: 1(-421.26,344.48) 2(-421.26,324.8) 3(-421.26,305.11) 4(-421.26,285.43) 5(-421.26,265.74) 6(-421.26,246.06) 7(-421.26,226.37) 8(-421.26,206.69) 9(-421.26,187) 10(-421.26,167.32) 11(-421.26,147.64) 12(-421.26,127.95) 13(-421.26,108.27) 14(-421.26,88.58) 15(-421.26,68.9) 16(-421.26,49.21) 17(-421.26,29.53) 18(-421.26,9.84) 19(-421.26,-9.84) 20(-421.26,-29.53) 21(-421.26,-49.22) 22(-421.26,-68.9) 23(-421.26,-88.59) 24(-421.26,-108.27) 25(-421.26,-127.96) 26(-421.26,-147.64) 27(-421.26,-167.33) 28(-421.26,-187.01) 29(-421.26,-206.7) 30(-421.26,-226.38) 31(-421.26,-246.07) 32(-421.26,-265.75) 33(-421.26,-285.44) 34(-421.26,-305.12) 35(-421.26,-324.81) 36(-421.26,-344.49) 73(421.26,-344.49) 74(421.26,-324.81) 75(421.26,-305.12) 76(421.26,-285.44) 77(421.26,-265.75) 78(421.26,-246.07) 79(421.26,-226.38) 80(421.26,-206.7) 81(421.26,-187.01) 82(421.26,-167.33) 83(421.26,-147.64) 84(421.26,-127.96) 85(421.26,-108.27) 86(421.26,-88.59) 87(421.26,-68.9) 88(421.26,-49.22) 89(421.26,-29.53) 90(421.26,-9.84) 91(421.26,9.84) 92(421.26,29.53) 93(421.26,49.21) 94(421.26,68.9) 95(421.26,88.58) 96(421.26,108.27) 97(421.26,127.95) 98(421.26,147.64) 99(421.26,167.32) 100(421.26,187) 101(421.26,206.69) 102(421.26,226.37) 103(421.26,246.06) 104(421.26,265.74) 105(421.26,285.43) 106(421.26,305.11) 107(421.26,324.8) 108(421.26,344.48)